# Altium PCB PCB1.PcbDoc (part 10 of 15)
Units mil, origin at the board's own origin, x right, y up, seen from the top; angles counter-clockwise.
Board outline 9210.27 x 4350.4 mil, 4 copper layers (Top Layer, Layer 1, Layer 2, Bottom Layer), stack 23.756 mil thick; 1550 components, 1731 nets, 5200 pads, 1882 vias.
Unrouted connection lines stored in the file: 605.
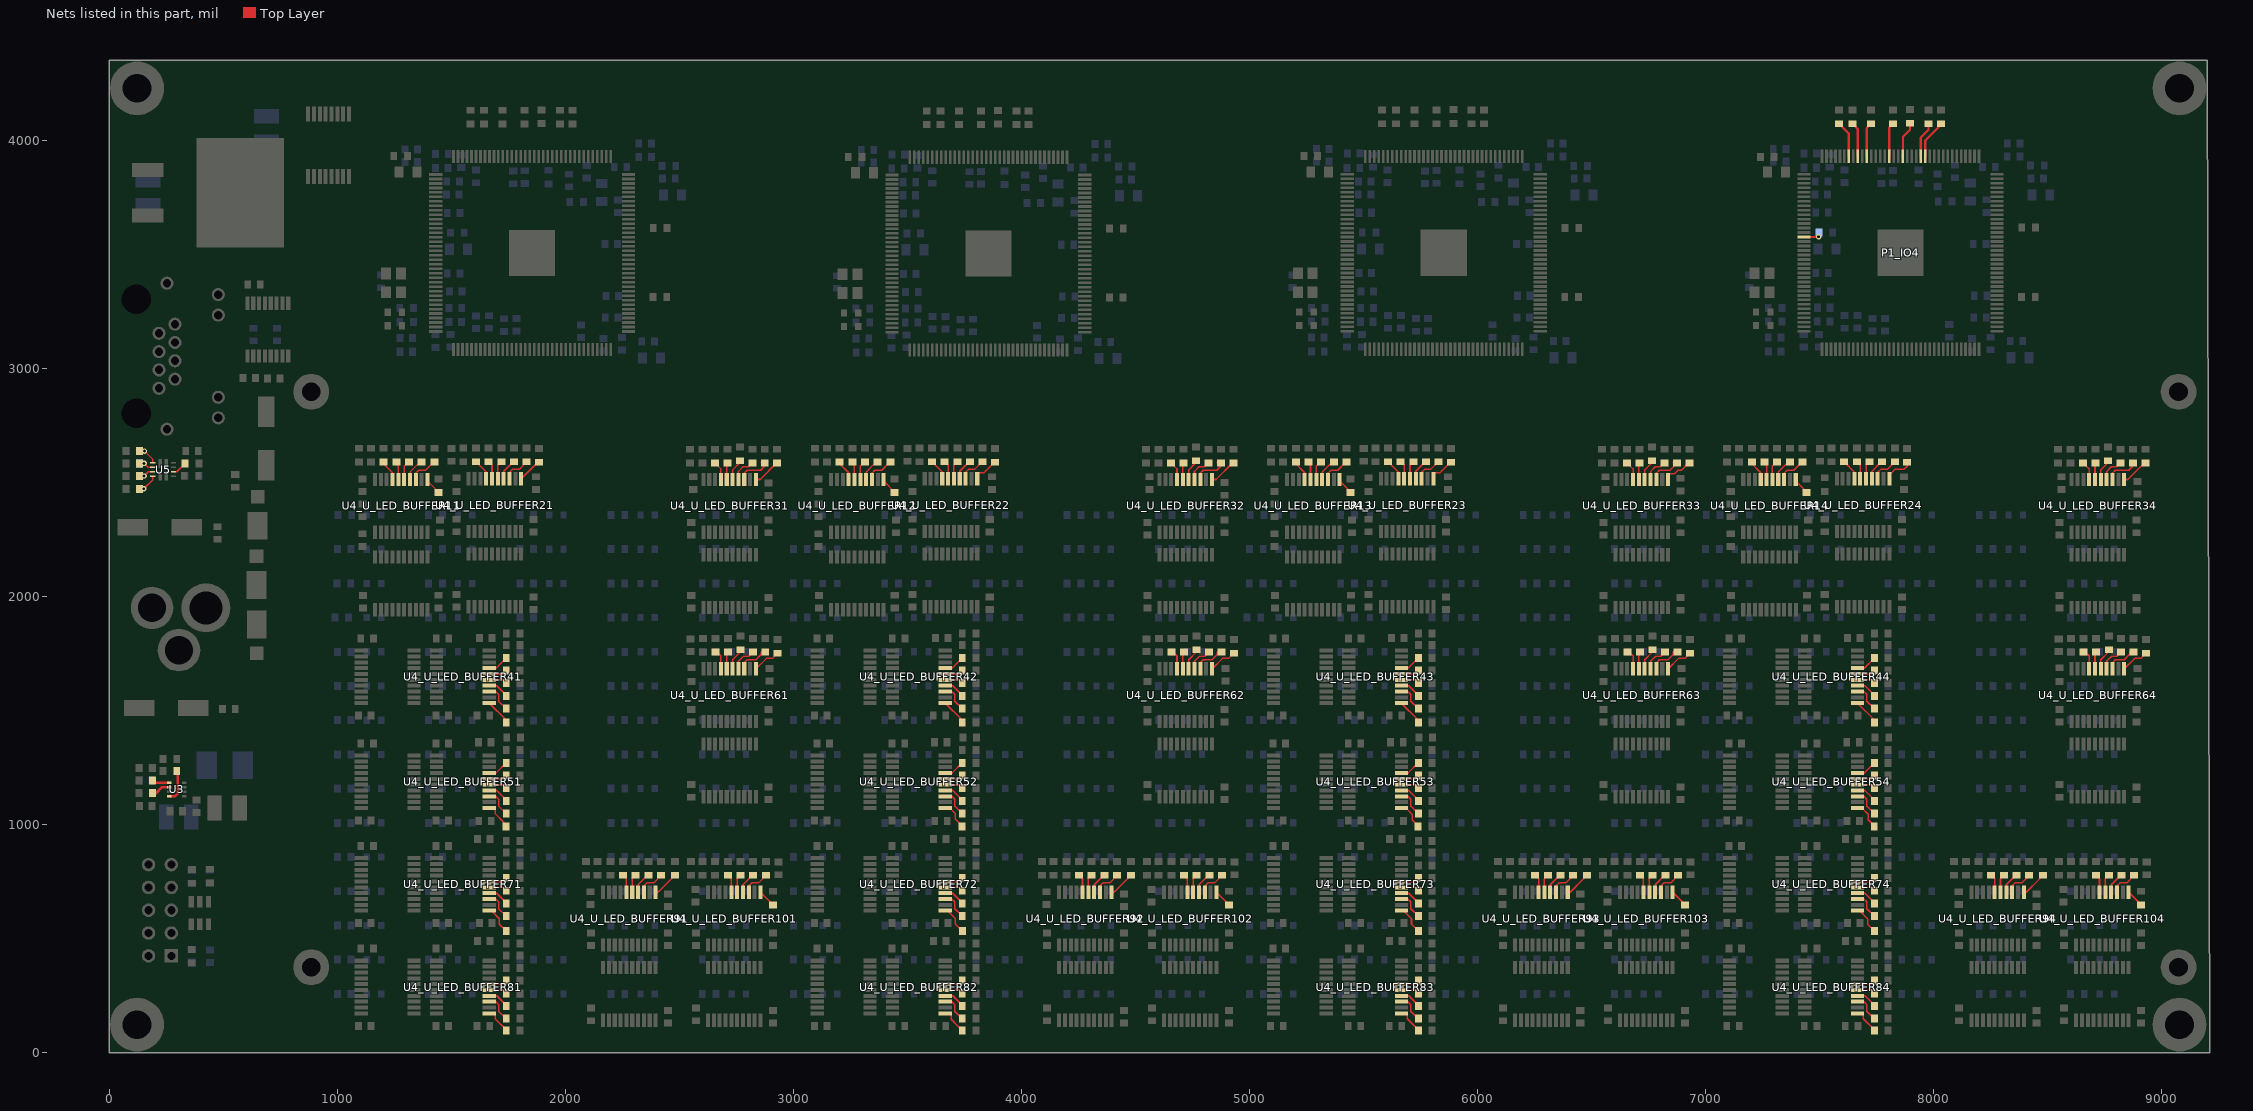
[diagram p12: the nets of this part, all layers, seen from the top]

## Via types
v1: diameter 24, hole 12, Top Layer to Bottom Layer, 1493 vias
v2: diameter 24, hole 12, Top Layer to Bottom Layer, tented both sides, 389 vias

## Nets (pads, with @x,y where several pads share a name; then routed paths per layer and width w, separated by ;. In a path a pad name is that pad's centre, name@x,y a point inside that pad or via, vN(x,y) a via of type N, cw(c..) or ccw(c..) an arc to the next point about the centre after c; other vN are vias at no path point) (continued)
NetP1_IO4_15: P1_IO4.15 R1_IO4.2 | length 64.2
  Top Layer w10: P1_IO4.15@7432.34,3576.01 7494.08,3576.01 v2(7495.83,3577.76)
NetP1_IO4_121: P1_IO4.121 R7_IO4.2 | length 174.1
  Top Layer w10: P1_IO4.121@7963.37,3929.87 7963.37,3998.9 8037.33,4072.87 R7_IO4.2@8037.83,4072.87
NetP1_IO4_122: P1_IO4.122 R6_IO4.2 | length 157.1
  Top Layer w10: P1_IO4.122@7943.68,3929.87 7943.68,4012.57 7977.83,4046.72 R6_IO4.2@7977.83,4072.87
NetP1_IO4_126: P1_IO4.126 R13_IO4.2 | length 158.2
  Top Layer w10: P1_IO4.126@7864.94,3929.87 7865.64,3930.56 7865.64,4015.45 7896.83,4046.64 R13_IO4.2@7896.83,4074.87
NetP1_IO4_129: P1_IO4.129 R5_IO4.2 | length 150
  Top Layer w10: P1_IO4.129@7805.89,3929.87 7805.89,4055.92 R5_IO4.2@7822.83,4072.87
NetP1_IO4_134: P1_IO4.134 R4_IO4.2 | length 150.6
  Top Layer w10: P1_IO4.134@7707.46,3929.87 7707.46,4054.5 R4_IO4.2@7725.83,4072.87
NetP1_IO4_136: P1_IO4.136 R3_IO4.2 | length 152.6
  Top Layer w10: R3_IO4.2@7644.83,4072.87 7668.09,4049.61 P1_IO4.136@7668.09,3929.87
NetP1_IO4_138: P1_IO4.138 R2_IO4.2 | length 161.2
  Top Layer w10: R2_IO4.2@7584.83,4072.87 7628.72,4028.98 P1_IO4.138@7628.72,3929.87
NetR15_1: R15.1 U3.6 | length 84.2
  Top Layer w12: R15.1@190.02,1137.02 204.1,1137.02 230.62,1163.55 U3.6@263.24,1163.55
NetR16_1: R16.1 U3.5 | length 76.9
  Top Layer w12: R16.1@190.02,1192.13 198.92,1183.23 U3.5@263.24,1183.23
NetR28_2: R28.2 U3.8 | length 149.9
  Top Layer w12: U3.8@263.24,1124.18 263.28,1124.13 288.18,1124.13 300.64,1136.59 R28.2@300.64,1243.95
NetR35_2: R35.2 R38.2 U5.5 | length 46.3
  Top Layer w7: v2(152.58,2528.14) 170.96,2546.52 U5.5@191.29,2546.52
NetR36_1: R36.1 R39.1 U5.6 | length 71.6
  Top Layer w7: v2(151.08,2471.94) 191.29,2512.14 U5.6@191.29,2526.84
NetR40_1: R40.1 U5.10 | length 66
  Top Layer w7: U5.10@281.84,2546.52 296.5,2546.52 R40.1@332.78,2582.81
NetR41_2: R41.2 R43.2 U5.4 | length 46
  Top Layer w7: v2(152.38,2583.34) 169.51,2566.21 U5.4@191.29,2566.21
NetR42_1: R42.1 R44.1 U5.3 | length 66.7
  Top Layer w7: v2(154.48,2637.34) 191.29,2600.54 U5.3@191.29,2585.89
NetR47_U_LED_BUFFER11_1: R47_U_LED_BUFFER11.1 U4_U_LED_BUFFER11.1 | length 77.4
  Top Layer w7: U4_U_LED_BUFFER11.1@1395.79,2512.83 1395.79,2506.54 1443.9,2458.43 R47_U_LED_BUFFER11.1@1443.9,2455.34
NetR47_U_LED_BUFFER12_1: R47_U_LED_BUFFER12.1 U4_U_LED_BUFFER12.1 | length 77.4
  Top Layer w7: U4_U_LED_BUFFER12.1@3395.79,2512.83 3395.79,2506.54 3443.9,2458.43 R47_U_LED_BUFFER12.1@3443.9,2455.34
NetR47_U_LED_BUFFER13_1: R47_U_LED_BUFFER13.1 U4_U_LED_BUFFER13.1 | length 77.4
  Top Layer w7: U4_U_LED_BUFFER13.1@5395.79,2512.83 5395.79,2506.54 5443.9,2458.43 R47_U_LED_BUFFER13.1@5443.9,2455.34
NetR47_U_LED_BUFFER14_1: R47_U_LED_BUFFER14.1 U4_U_LED_BUFFER14.1 | length 77.4
  Top Layer w7: U4_U_LED_BUFFER14.1@7395.79,2512.83 7395.79,2506.54 7443.9,2458.43 R47_U_LED_BUFFER14.1@7443.9,2455.34
NetR47_U_LED_BUFFER21_1: R47_U_LED_BUFFER21.1 U4_U_LED_BUFFER21.1 | length 107.8
  Top Layer w7: U4_U_LED_BUFFER21.1@1806.39,2516.17 1878.68,2588.47 R47_U_LED_BUFFER21.1@1884.27,2588.47
NetR47_U_LED_BUFFER22_1: R47_U_LED_BUFFER22.1 U4_U_LED_BUFFER22.1 | length 119.7
  Top Layer w7: U4_U_LED_BUFFER22.1@3806.39,2516.17 3806.39,2536.35 3811.74,2541.71 3835.01,2541.71 3881.77,2588.47 R47_U_LED_BUFFER22.1@3884.27,2588.47
NetR47_U_LED_BUFFER23_1: R47_U_LED_BUFFER23.1 U4_U_LED_BUFFER23.1 | length 119.7
  Top Layer w7: U4_U_LED_BUFFER23.1@5806.39,2516.17 5806.39,2536.35 5811.74,2541.71 5835.01,2541.71 5881.77,2588.47 R47_U_LED_BUFFER23.1@5884.27,2588.47
NetR47_U_LED_BUFFER24_1: R47_U_LED_BUFFER24.1 U4_U_LED_BUFFER24.1 | length 128
  Top Layer w7: U4_U_LED_BUFFER24.1@7806.39,2516.17 7806.39,2532.92 7830.63,2557.17 7870.63,2557.17 7884.27,2570.8 R47_U_LED_BUFFER24.1@7884.27,2588.47
NetR47_U_LED_BUFFER31_1: R47_U_LED_BUFFER31.1 U4_U_LED_BUFFER31.1 | length 123.6
  Top Layer w7: U4_U_LED_BUFFER31.1@2835.79,2512.83 2854.47,2512.83 2927.43,2585.79 R47_U_LED_BUFFER31.1@2929.2,2585.79
NetR47_U_LED_BUFFER32_1: R47_U_LED_BUFFER32.1 U4_U_LED_BUFFER32.1 | length 123.6
  Top Layer w7: U4_U_LED_BUFFER32.1@4835.79,2512.83 4853.74,2512.83 4926.7,2585.79 R47_U_LED_BUFFER32.1@4929.2,2585.79
NetR47_U_LED_BUFFER33_1: R47_U_LED_BUFFER33.1 U4_U_LED_BUFFER33.1 | length 135.5
  Top Layer w7: U4_U_LED_BUFFER33.1@6835.79,2512.83 6835.79,2533.01 6841.15,2538.37 6863.82,2538.37 6879.23,2553.78 6894.69,2553.78 6926.7,2585.79 R47_U_LED_BUFFER33.1@6929.2,2585.79
NetR47_U_LED_BUFFER34_1: R47_U_LED_BUFFER34.1 U4_U_LED_BUFFER34.1 | length 123.6
  Top Layer w7: U4_U_LED_BUFFER34.1@8835.79,2512.83 8852.1,2512.83 8913.56,2574.29 8917.7,2574.29 R47_U_LED_BUFFER34.1@8929.2,2585.79
NetR47_U_LED_BUFFER41_1: R47_U_LED_BUFFER41.1 U4_U_LED_BUFFER41.1 | length 115.6
  Top Layer w7: U4_U_LED_BUFFER41.1@1666.3,1532.01 1740.63,1457.68 R47_U_LED_BUFFER41.1@1740.63,1447.16
NetR47_U_LED_BUFFER42_1: R47_U_LED_BUFFER42.1 U4_U_LED_BUFFER42.1 | length 115.6
  Top Layer w7: U4_U_LED_BUFFER42.1@3666.3,1532.01 3740.63,1457.68 R47_U_LED_BUFFER42.1@3740.63,1447.16
NetR47_U_LED_BUFFER43_1: R47_U_LED_BUFFER43.1 U4_U_LED_BUFFER43.1 | length 115.6
  Top Layer w7: U4_U_LED_BUFFER43.1@5666.3,1532.01 5740.63,1457.68 R47_U_LED_BUFFER43.1@5740.63,1447.16
NetR47_U_LED_BUFFER44_1: R47_U_LED_BUFFER44.1 U4_U_LED_BUFFER44.1 | length 115.6
  Top Layer w7: U4_U_LED_BUFFER44.1@7666.3,1532.01 7740.63,1457.68 R47_U_LED_BUFFER44.1@7740.63,1447.16
NetR47_U_LED_BUFFER51_1: R47_U_LED_BUFFER51.1 U4_U_LED_BUFFER51.1 | length 122.2
  Top Layer w7: U4_U_LED_BUFFER51.1@1666.3,1072.01 1686.48,1072.01 1691.84,1066.65 1691.84,1048.16 1730,1010 1730,1001.88 R47_U_LED_BUFFER51.1@1739.83,992.06
NetR47_U_LED_BUFFER52_1: R47_U_LED_BUFFER52.1 U4_U_LED_BUFFER52.1 | length 122.2
  Top Layer w7: U4_U_LED_BUFFER52.1@3666.3,1072.01 3686.48,1072.01 3710.08,1048.4 3710.08,1024.3 3739.83,994.56 R47_U_LED_BUFFER52.1@3739.83,992.06
NetR47_U_LED_BUFFER53_1: R47_U_LED_BUFFER53.1 U4_U_LED_BUFFER53.1 | length 122.2
  Top Layer w7: U4_U_LED_BUFFER53.1@5666.3,1072.01 5686.48,1072.01 5713.13,1045.35 5713.13,1021.25 5739.83,994.56 R47_U_LED_BUFFER53.1@5739.83,992.06
NetR47_U_LED_BUFFER54_1: R47_U_LED_BUFFER54.1 U4_U_LED_BUFFER54.1 | length 122.2
  Top Layer w7: U4_U_LED_BUFFER54.1@7666.3,1072.01 7686.48,1072.01 7713.13,1045.35 7713.13,1021.25 7739.83,994.56 R47_U_LED_BUFFER54.1@7739.83,992.06
NetR47_U_LED_BUFFER61_1: R47_U_LED_BUFFER61.1 U4_U_LED_BUFFER61.1 | length 123.7
  Top Layer w7: U4_U_LED_BUFFER61.1@2835.79,1682.83 2836.3,1682.83 2881.76,1728.3 2908.48,1728.3 R47_U_LED_BUFFER61.1@2931.24,1751.05
NetR47_U_LED_BUFFER62_1: R47_U_LED_BUFFER62.1 U4_U_LED_BUFFER62.1 | length 123.7
  Top Layer w7: U4_U_LED_BUFFER62.1@4835.79,1682.83 4836.3,1682.83 4881.76,1728.3 4908.48,1728.3 R47_U_LED_BUFFER62.1@4931.24,1751.05
NetR47_U_LED_BUFFER63_1: R47_U_LED_BUFFER63.1 U4_U_LED_BUFFER63.1 | length 123.7
  Top Layer w7: U4_U_LED_BUFFER63.1@6835.79,1682.83 6836.3,1682.83 6881.76,1728.3 6908.48,1728.3 R47_U_LED_BUFFER63.1@6931.24,1751.05
NetR47_U_LED_BUFFER64_1: R47_U_LED_BUFFER64.1 U4_U_LED_BUFFER64.1 | length 123.7
  Top Layer w7: U4_U_LED_BUFFER64.1@8835.79,1682.83 8836.3,1682.83 8881.76,1728.3 8908.48,1728.3 R47_U_LED_BUFFER64.1@8931.24,1751.05
NetR47_U_LED_BUFFER71_1: R47_U_LED_BUFFER71.1 U4_U_LED_BUFFER71.1 | length 126.2
  Top Layer w7: U4_U_LED_BUFFER71.1@1666.3,622.01 1675.79,622.01 1710.63,587.16 1710.63,562.92 R47_U_LED_BUFFER71.1@1741.15,532.39
NetR47_U_LED_BUFFER72_1: R47_U_LED_BUFFER72.1 U4_U_LED_BUFFER72.1 | length 126.2
  Top Layer w7: U4_U_LED_BUFFER72.1@3666.3,622.01 3675.79,622.01 3710.63,587.16 3710.63,562.92 R47_U_LED_BUFFER72.1@3741.15,532.39
NetR47_U_LED_BUFFER73_1: R47_U_LED_BUFFER73.1 U4_U_LED_BUFFER73.1 | length 126.2
  Top Layer w7: U4_U_LED_BUFFER73.1@5666.3,622.01 5675.79,622.01 5710.63,587.16 5710.63,562.92 R47_U_LED_BUFFER73.1@5741.15,532.39
NetR47_U_LED_BUFFER74_1: R47_U_LED_BUFFER74.1 U4_U_LED_BUFFER74.1 | length 126.2
  Top Layer w7: U4_U_LED_BUFFER74.1@7666.3,622.01 7675.79,622.01 7710.63,587.16 7710.63,562.92 R47_U_LED_BUFFER74.1@7741.15,532.39
NetR47_U_LED_BUFFER81_1: R47_U_LED_BUFFER81.1 U4_U_LED_BUFFER81.1 | length 117.5
  Top Layer w7: U4_U_LED_BUFFER81.1@1666.3,172.01 1686.48,172.01 1691.84,166.65 1691.84,148.46 1740.63,99.66 R47_U_LED_BUFFER81.1@1740.63,97.16
NetR47_U_LED_BUFFER82_1: R47_U_LED_BUFFER82.1 U4_U_LED_BUFFER82.1 | length 118.9
  Top Layer w7: U4_U_LED_BUFFER82.1@3666.3,172.01 3686.48,172.01 3691.84,166.65 3691.84,145.96 3726.63,111.16 3729.13,111.16 3740.63,99.66 R47_U_LED_BUFFER82.1@3740.63,97.16
NetR47_U_LED_BUFFER83_1: R47_U_LED_BUFFER83.1 U4_U_LED_BUFFER83.1 | length 117.5
  Top Layer w7: U4_U_LED_BUFFER83.1@5666.3,172.01 5686.48,172.01 5691.84,166.65 5691.84,148.46 5740.63,99.66 R47_U_LED_BUFFER83.1@5740.63,97.16
NetR47_U_LED_BUFFER84_1: R47_U_LED_BUFFER84.1 U4_U_LED_BUFFER84.1 | length 117.5
  Top Layer w7: U4_U_LED_BUFFER84.1@7666.3,172.01 7686.48,172.01 7691.84,166.65 7691.84,148.46 7740.63,99.66 R47_U_LED_BUFFER84.1@7740.63,97.16
NetR47_U_LED_BUFFER91_1: R47_U_LED_BUFFER91.1 U4_U_LED_BUFFER91.1 | length 115.6
  Top Layer w7: U4_U_LED_BUFFER91.1@2395.79,702.83 2406.3,702.83 2462.17,758.71 R47_U_LED_BUFFER91.1@2480.63,777.16
NetR47_U_LED_BUFFER92_1: R47_U_LED_BUFFER92.1 U4_U_LED_BUFFER92.1 | length 115.6
  Top Layer w7: U4_U_LED_BUFFER92.1@4395.79,702.83 4406.3,702.83 4462.17,758.71 R47_U_LED_BUFFER92.1@4480.63,777.16
NetR47_U_LED_BUFFER93_1: R47_U_LED_BUFFER93.1 U4_U_LED_BUFFER93.1 | length 115.6
  Top Layer w7: U4_U_LED_BUFFER93.1@6395.79,702.83 6406.3,702.83 6462.17,758.71 R47_U_LED_BUFFER93.1@6480.63,777.16
NetR47_U_LED_BUFFER94_1: R47_U_LED_BUFFER94.1 U4_U_LED_BUFFER94.1 | length 115.6
  Top Layer w7: U4_U_LED_BUFFER94.1@8395.79,702.83 8406.3,702.83 8462.17,758.71 R47_U_LED_BUFFER94.1@8480.63,777.16
NetR47_U_LED_BUFFER101_1: R47_U_LED_BUFFER101.1 U4_U_LED_BUFFER101.1 | length 78.4
  Top Layer w7: U4_U_LED_BUFFER101.1@2855.79,702.83 2910.63,647.99 R47_U_LED_BUFFER101.1@2910.63,647.16
NetR47_U_LED_BUFFER102_1: R47_U_LED_BUFFER102.1 U4_U_LED_BUFFER102.1 | length 78.4
  Top Layer w7: U4_U_LED_BUFFER102.1@4855.79,702.83 4910.63,647.99 R47_U_LED_BUFFER102.1@4910.63,647.16
NetR47_U_LED_BUFFER103_1: R47_U_LED_BUFFER103.1 U4_U_LED_BUFFER103.1 | length 78.4
  Top Layer w7: U4_U_LED_BUFFER103.1@6855.79,702.83 6910.63,647.99 R47_U_LED_BUFFER103.1@6910.63,647.16
NetR47_U_LED_BUFFER104_1: R47_U_LED_BUFFER104.1 U4_U_LED_BUFFER104.1 | length 78.4
  Top Layer w7: U4_U_LED_BUFFER104.1@8855.79,702.83 8910.63,647.99 R47_U_LED_BUFFER104.1@8910.63,647.16
NetR48_U_LED_BUFFER11_1: R48_U_LED_BUFFER11.1 U4_U_LED_BUFFER11.3 | length 122.9
  Top Layer w7: U4_U_LED_BUFFER11.3@1344.61,2512.83 1344.61,2541.14 1357.16,2553.7 1387.16,2553.7 1419.52,2586.05 R48_U_LED_BUFFER11.1@1419.52,2587.16
NetR48_U_LED_BUFFER12_1: R48_U_LED_BUFFER12.1 U4_U_LED_BUFFER12.3 | length 122.9
  Top Layer w7: U4_U_LED_BUFFER12.3@3344.61,2512.83 3344.61,2541.14 3357.16,2553.7 3387.16,2553.7 3419.52,2586.05 R48_U_LED_BUFFER12.1@3419.52,2587.16
NetR48_U_LED_BUFFER13_1: R48_U_LED_BUFFER13.1 U4_U_LED_BUFFER13.3 | length 122.9
  Top Layer w7: U4_U_LED_BUFFER13.3@5344.61,2512.83 5344.61,2541.14 5357.16,2553.7 5387.16,2553.7 5419.52,2586.05 R48_U_LED_BUFFER13.1@5419.52,2587.16
NetR48_U_LED_BUFFER14_1: R48_U_LED_BUFFER14.1 U4_U_LED_BUFFER14.3 | length 122.9
  Top Layer w7: U4_U_LED_BUFFER14.3@7344.61,2512.83 7344.61,2541.14 7357.16,2553.7 7387.16,2553.7 7419.52,2586.05 R48_U_LED_BUFFER14.1@7419.52,2587.16
NetR48_U_LED_BUFFER21_1: R48_U_LED_BUFFER21.1 U4_U_LED_BUFFER21.3 | length 122.9
  Top Layer w7: U4_U_LED_BUFFER21.3@1755.2,2516.17 1755.2,2544.48 1767.76,2557.03 1797.76,2557.03 1830.12,2589.39 R48_U_LED_BUFFER21.1@1830.12,2590.5
NetR48_U_LED_BUFFER22_1: R48_U_LED_BUFFER22.1 U4_U_LED_BUFFER22.3 | length 122.3
  Top Layer w7: U4_U_LED_BUFFER22.3@3755.2,2516.17 3755.2,2544.48 3767.76,2557.03 3794.15,2557.03 3827.62,2590.5 R48_U_LED_BUFFER22.1@3830.12,2590.5
NetR48_U_LED_BUFFER23_1: R48_U_LED_BUFFER23.1 U4_U_LED_BUFFER23.3 | length 122.3
  Top Layer w7: U4_U_LED_BUFFER23.3@5755.2,2516.17 5755.2,2544.48 5767.76,2557.03 5794.15,2557.03 5827.62,2590.5 R48_U_LED_BUFFER23.1@5830.12,2590.5
NetR48_U_LED_BUFFER24_1: R48_U_LED_BUFFER24.1 U4_U_LED_BUFFER24.3 | length 122.3
  Top Layer w7: U4_U_LED_BUFFER24.3@7755.2,2516.17 7755.2,2544.48 7767.76,2557.03 7796.65,2557.03 R48_U_LED_BUFFER24.1@7830.12,2590.5
NetR48_U_LED_BUFFER31_1: R48_U_LED_BUFFER31.1 U4_U_LED_BUFFER31.3 | length 146
  Top Layer w7: U4_U_LED_BUFFER31.3@2784.61,2512.83 2784.61,2541.14 2797.16,2553.7 2856.48,2553.7 2871.63,2568.85 2871.63,2582.94 R48_U_LED_BUFFER31.1@2874.49,2585.79 ; R48_U_LED_BUFFER31.1@2859.52,2586.05 R48_U_LED_BUFFER31.1@2859.52,2587.16
NetR48_U_LED_BUFFER32_1: R48_U_LED_BUFFER32.1 U4_U_LED_BUFFER32.3 | length 146
  Top Layer w7: U4_U_LED_BUFFER32.3@4784.61,2512.83 4784.61,2541.14 4797.16,2553.7 4856.48,2553.7 4871.63,2568.85 4871.63,2582.94 R48_U_LED_BUFFER32.1@4874.49,2585.79 ; R48_U_LED_BUFFER32.1@4859.52,2586.05 R48_U_LED_BUFFER32.1@4859.52,2587.16
NetR48_U_LED_BUFFER33_1: R48_U_LED_BUFFER33.1 U4_U_LED_BUFFER33.3 | length 140.2
  Top Layer w7: U4_U_LED_BUFFER33.3@6784.61,2512.83 6784.61,2541.14 6797.16,2553.7 6844.04,2553.7 6860.49,2570.14 6860.49,2574.29 6871.99,2585.79 R48_U_LED_BUFFER33.1@6874.49,2585.79 ; R48_U_LED_BUFFER33.1@6859.52,2586.05 R48_U_LED_BUFFER33.1@6859.52,2587.16
NetR48_U_LED_BUFFER34_1: R48_U_LED_BUFFER34.1 U4_U_LED_BUFFER34.3 | length 146
  Top Layer w7: U4_U_LED_BUFFER34.3@8784.61,2512.83 8784.61,2541.14 8797.16,2553.7 8856.48,2553.7 8871.63,2568.85 8871.63,2582.94 R48_U_LED_BUFFER34.1@8874.49,2585.79 ; R48_U_LED_BUFFER34.1@8859.52,2586.05 R48_U_LED_BUFFER34.1@8859.52,2587.16
NetR48_U_LED_BUFFER41_1: R48_U_LED_BUFFER41.1 U4_U_LED_BUFFER41.3 | length 122.9
  Top Layer w7: U4_U_LED_BUFFER41.3@1666.3,1583.19 1694.61,1583.19 1707.16,1570.63 1707.16,1540.63 1739.52,1508.28 R48_U_LED_BUFFER41.1@1740.63,1508.28
NetR48_U_LED_BUFFER42_1: R48_U_LED_BUFFER42.1 U4_U_LED_BUFFER42.3 | length 122.9
  Top Layer w7: U4_U_LED_BUFFER42.3@3666.3,1583.19 3694.61,1583.19 3707.16,1570.63 3707.16,1540.63 3739.52,1508.28 R48_U_LED_BUFFER42.1@3740.63,1508.28
NetR48_U_LED_BUFFER43_1: R48_U_LED_BUFFER43.1 U4_U_LED_BUFFER43.3 | length 122.9
  Top Layer w7: U4_U_LED_BUFFER43.3@5666.3,1583.19 5694.61,1583.19 5707.16,1570.63 5707.16,1540.63 5739.52,1508.28 R48_U_LED_BUFFER43.1@5740.63,1508.28
NetR48_U_LED_BUFFER44_1: R48_U_LED_BUFFER44.1 U4_U_LED_BUFFER44.3 | length 122.9
  Top Layer w7: U4_U_LED_BUFFER44.3@7666.3,1583.19 7694.61,1583.19 7707.16,1570.63 7707.16,1540.63 7739.52,1508.28 R48_U_LED_BUFFER44.1@7740.63,1508.28
NetR48_U_LED_BUFFER51_1: R48_U_LED_BUFFER51.1 U4_U_LED_BUFFER51.3 | length 122.9
  Top Layer w7: U4_U_LED_BUFFER51.3@1666.3,1123.19 1694.61,1123.19 1707.16,1110.63 1707.16,1080.63 1739.52,1048.28 R48_U_LED_BUFFER51.1@1740.63,1048.28
NetR48_U_LED_BUFFER52_1: R48_U_LED_BUFFER52.1 U4_U_LED_BUFFER52.3 | length 122.9
  Top Layer w7: U4_U_LED_BUFFER52.3@3666.3,1123.19 3694.61,1123.19 3707.16,1110.63 3707.16,1080.63 3739.52,1048.28 R48_U_LED_BUFFER52.1@3740.63,1048.28
NetR48_U_LED_BUFFER53_1: R48_U_LED_BUFFER53.1 U4_U_LED_BUFFER53.3 | length 122.9
  Top Layer w7: U4_U_LED_BUFFER53.3@5666.3,1123.19 5694.61,1123.19 5707.16,1110.63 5707.16,1080.63 5739.52,1048.28 R48_U_LED_BUFFER53.1@5740.63,1048.28
NetR48_U_LED_BUFFER54_1: R48_U_LED_BUFFER54.1 U4_U_LED_BUFFER54.3 | length 122.9
  Top Layer w7: U4_U_LED_BUFFER54.3@7666.3,1123.19 7694.61,1123.19 7707.16,1110.63 7707.16,1080.63 7739.52,1048.28 R48_U_LED_BUFFER54.1@7740.63,1048.28
NetR48_U_LED_BUFFER61_1: R48_U_LED_BUFFER61.1 U4_U_LED_BUFFER61.3 | length 128
  Top Layer w7: U4_U_LED_BUFFER61.3@2784.61,1682.83 2784.61,1709.99 2796.99,1722.37 2835.71,1722.37 2859.52,1746.18 R48_U_LED_BUFFER61.1@2859.52,1757.16
NetR48_U_LED_BUFFER62_1: R48_U_LED_BUFFER62.1 U4_U_LED_BUFFER62.3 | length 128
  Top Layer w7: U4_U_LED_BUFFER62.3@4784.61,1682.83 4784.61,1709.99 4796.99,1722.37 4835.71,1722.37 4859.52,1746.18 R48_U_LED_BUFFER62.1@4859.52,1757.16
NetR48_U_LED_BUFFER63_1: R48_U_LED_BUFFER63.1 U4_U_LED_BUFFER63.3 | length 128
  Top Layer w7: U4_U_LED_BUFFER63.3@6784.61,1682.83 6784.61,1709.99 6796.99,1722.37 6835.71,1722.37 6859.52,1746.18 R48_U_LED_BUFFER63.1@6859.52,1757.16
NetR48_U_LED_BUFFER64_1: R48_U_LED_BUFFER64.1 U4_U_LED_BUFFER64.3 | length 128
  Top Layer w7: U4_U_LED_BUFFER64.3@8784.61,1682.83 8784.61,1709.99 8796.99,1722.37 8835.71,1722.37 8859.52,1746.18 R48_U_LED_BUFFER64.1@8859.52,1757.16
NetR48_U_LED_BUFFER71_1: R48_U_LED_BUFFER71.1 U4_U_LED_BUFFER71.3 | length 122.9
  Top Layer w7: U4_U_LED_BUFFER71.3@1666.3,673.19 1694.61,673.19 1707.16,660.63 1707.16,630.63 1739.52,598.28 R48_U_LED_BUFFER71.1@1740.63,598.28
NetR48_U_LED_BUFFER72_1: R48_U_LED_BUFFER72.1 U4_U_LED_BUFFER72.3 | length 122.9
  Top Layer w7: U4_U_LED_BUFFER72.3@3666.3,673.19 3694.61,673.19 3707.16,660.63 3707.16,630.63 3739.52,598.28 R48_U_LED_BUFFER72.1@3740.63,598.28
NetR48_U_LED_BUFFER73_1: R48_U_LED_BUFFER73.1 U4_U_LED_BUFFER73.3 | length 122.9
  Top Layer w7: U4_U_LED_BUFFER73.3@5666.3,673.19 5694.61,673.19 5707.16,660.63 5707.16,630.63 5739.52,598.28 R48_U_LED_BUFFER73.1@5740.63,598.28
NetR48_U_LED_BUFFER74_1: R48_U_LED_BUFFER74.1 U4_U_LED_BUFFER74.3 | length 122.9
  Top Layer w7: U4_U_LED_BUFFER74.3@7666.3,673.19 7694.61,673.19 7707.16,660.63 7707.16,630.63 7739.52,598.28 R48_U_LED_BUFFER74.1@7740.63,598.28
NetR48_U_LED_BUFFER81_1: R48_U_LED_BUFFER81.1 U4_U_LED_BUFFER81.3 | length 122.9
  Top Layer w7: U4_U_LED_BUFFER81.3@1666.3,223.19 1694.61,223.19 1707.16,210.63 1707.16,180.63 1739.52,148.28 R48_U_LED_BUFFER81.1@1740.63,148.28
NetR48_U_LED_BUFFER82_1: R48_U_LED_BUFFER82.1 U4_U_LED_BUFFER82.3 | length 122.9
  Top Layer w7: U4_U_LED_BUFFER82.3@3666.3,223.19 3694.61,223.19 3707.16,210.63 3707.16,180.63 3739.52,148.28 R48_U_LED_BUFFER82.1@3740.63,148.28
NetR48_U_LED_BUFFER83_1: R48_U_LED_BUFFER83.1 U4_U_LED_BUFFER83.3 | length 122.9
  Top Layer w7: U4_U_LED_BUFFER83.3@5666.3,223.19 5694.61,223.19 5707.16,210.63 5707.16,180.63 5739.52,148.28 R48_U_LED_BUFFER83.1@5740.63,148.28
NetR48_U_LED_BUFFER84_1: R48_U_LED_BUFFER84.1 U4_U_LED_BUFFER84.3 | length 122.9
  Top Layer w7: U4_U_LED_BUFFER84.3@7666.3,223.19 7694.61,223.19 7707.16,210.63 7707.16,180.63 7739.52,148.28 R48_U_LED_BUFFER84.1@7740.63,148.28
NetR48_U_LED_BUFFER91_1: R48_U_LED_BUFFER91.1 U4_U_LED_BUFFER91.3 | length 122.9
  Top Layer w7: U4_U_LED_BUFFER91.3@2344.61,702.83 2344.61,731.14 2357.16,743.7 2387.16,743.7 2419.52,776.05 R48_U_LED_BUFFER91.1@2419.52,777.16
NetR48_U_LED_BUFFER92_1: R48_U_LED_BUFFER92.1 U4_U_LED_BUFFER92.3 | length 122.9
  Top Layer w7: U4_U_LED_BUFFER92.3@4344.61,702.83 4344.61,731.14 4357.16,743.7 4387.16,743.7 4419.52,776.05 R48_U_LED_BUFFER92.1@4419.52,777.16
NetR48_U_LED_BUFFER93_1: R48_U_LED_BUFFER93.1 U4_U_LED_BUFFER93.3 | length 122.9
  Top Layer w7: U4_U_LED_BUFFER93.3@6344.61,702.83 6344.61,731.14 6357.16,743.7 6387.16,743.7 6419.52,776.05 R48_U_LED_BUFFER93.1@6419.52,777.16
NetR48_U_LED_BUFFER94_1: R48_U_LED_BUFFER94.1 U4_U_LED_BUFFER94.3 | length 122.9
  Top Layer w7: U4_U_LED_BUFFER94.3@8344.61,702.83 8344.61,731.14 8357.16,743.7 8387.16,743.7 8419.52,776.05 R48_U_LED_BUFFER94.1@8419.52,777.16
NetR48_U_LED_BUFFER101_1: R48_U_LED_BUFFER101.1 U4_U_LED_BUFFER101.3 | length 122.9
  Top Layer w7: U4_U_LED_BUFFER101.3@2804.61,702.83 2804.61,731.14 2817.16,743.7 2847.16,743.7 2879.52,776.05 R48_U_LED_BUFFER101.1@2879.52,777.16
NetR48_U_LED_BUFFER102_1: R48_U_LED_BUFFER102.1 U4_U_LED_BUFFER102.3 | length 122.9
  Top Layer w7: U4_U_LED_BUFFER102.3@4804.61,702.83 4804.61,731.14 4817.16,743.7 4847.16,743.7 4879.52,776.05 R48_U_LED_BUFFER102.1@4879.52,777.16
NetR48_U_LED_BUFFER103_1: R48_U_LED_BUFFER103.1 U4_U_LED_BUFFER103.3 | length 122.9
  Top Layer w7: U4_U_LED_BUFFER103.3@6804.61,702.83 6804.61,731.14 6817.16,743.7 6847.16,743.7 6879.52,776.05 R48_U_LED_BUFFER103.1@6879.52,777.16
NetR48_U_LED_BUFFER104_1: R48_U_LED_BUFFER104.1 U4_U_LED_BUFFER104.3 | length 122.9
  Top Layer w7: U4_U_LED_BUFFER104.3@8804.61,702.83 8804.61,731.14 8817.16,743.7 8847.16,743.7 8879.52,776.05 R48_U_LED_BUFFER104.1@8879.52,777.16
NetR49_U_LED_BUFFER11_1: R49_U_LED_BUFFER11.1 U4_U_LED_BUFFER11.4 | length 94.9
  Top Layer w7: U4_U_LED_BUFFER11.4@1319.02,2512.83 1319.02,2545.55 1360.63,2587.16 R49_U_LED_BUFFER11.1@1363.96,2587.16
NetR49_U_LED_BUFFER12_1: R49_U_LED_BUFFER12.1 U4_U_LED_BUFFER12.4 | length 94.9
  Top Layer w7: U4_U_LED_BUFFER12.4@3319.02,2512.83 3319.02,2545.55 3360.63,2587.16 R49_U_LED_BUFFER12.1@3363.96,2587.16
NetR49_U_LED_BUFFER13_1: R49_U_LED_BUFFER13.1 U4_U_LED_BUFFER13.4 | length 94.9
  Top Layer w7: U4_U_LED_BUFFER13.4@5319.02,2512.83 5319.02,2545.55 5360.63,2587.16 R49_U_LED_BUFFER13.1@5363.96,2587.16
NetR49_U_LED_BUFFER14_1: R49_U_LED_BUFFER14.1 U4_U_LED_BUFFER14.4 | length 94.9
  Top Layer w7: U4_U_LED_BUFFER14.4@7319.02,2512.83 7319.02,2545.55 7360.63,2587.16 R49_U_LED_BUFFER14.1@7363.96,2587.16
NetR49_U_LED_BUFFER21_1: R49_U_LED_BUFFER21.1 U4_U_LED_BUFFER21.4 | length 94.9